# Altium PCB HIL_RIG_REV_1_2.PcbDoc (part 1 of 14) (continued)
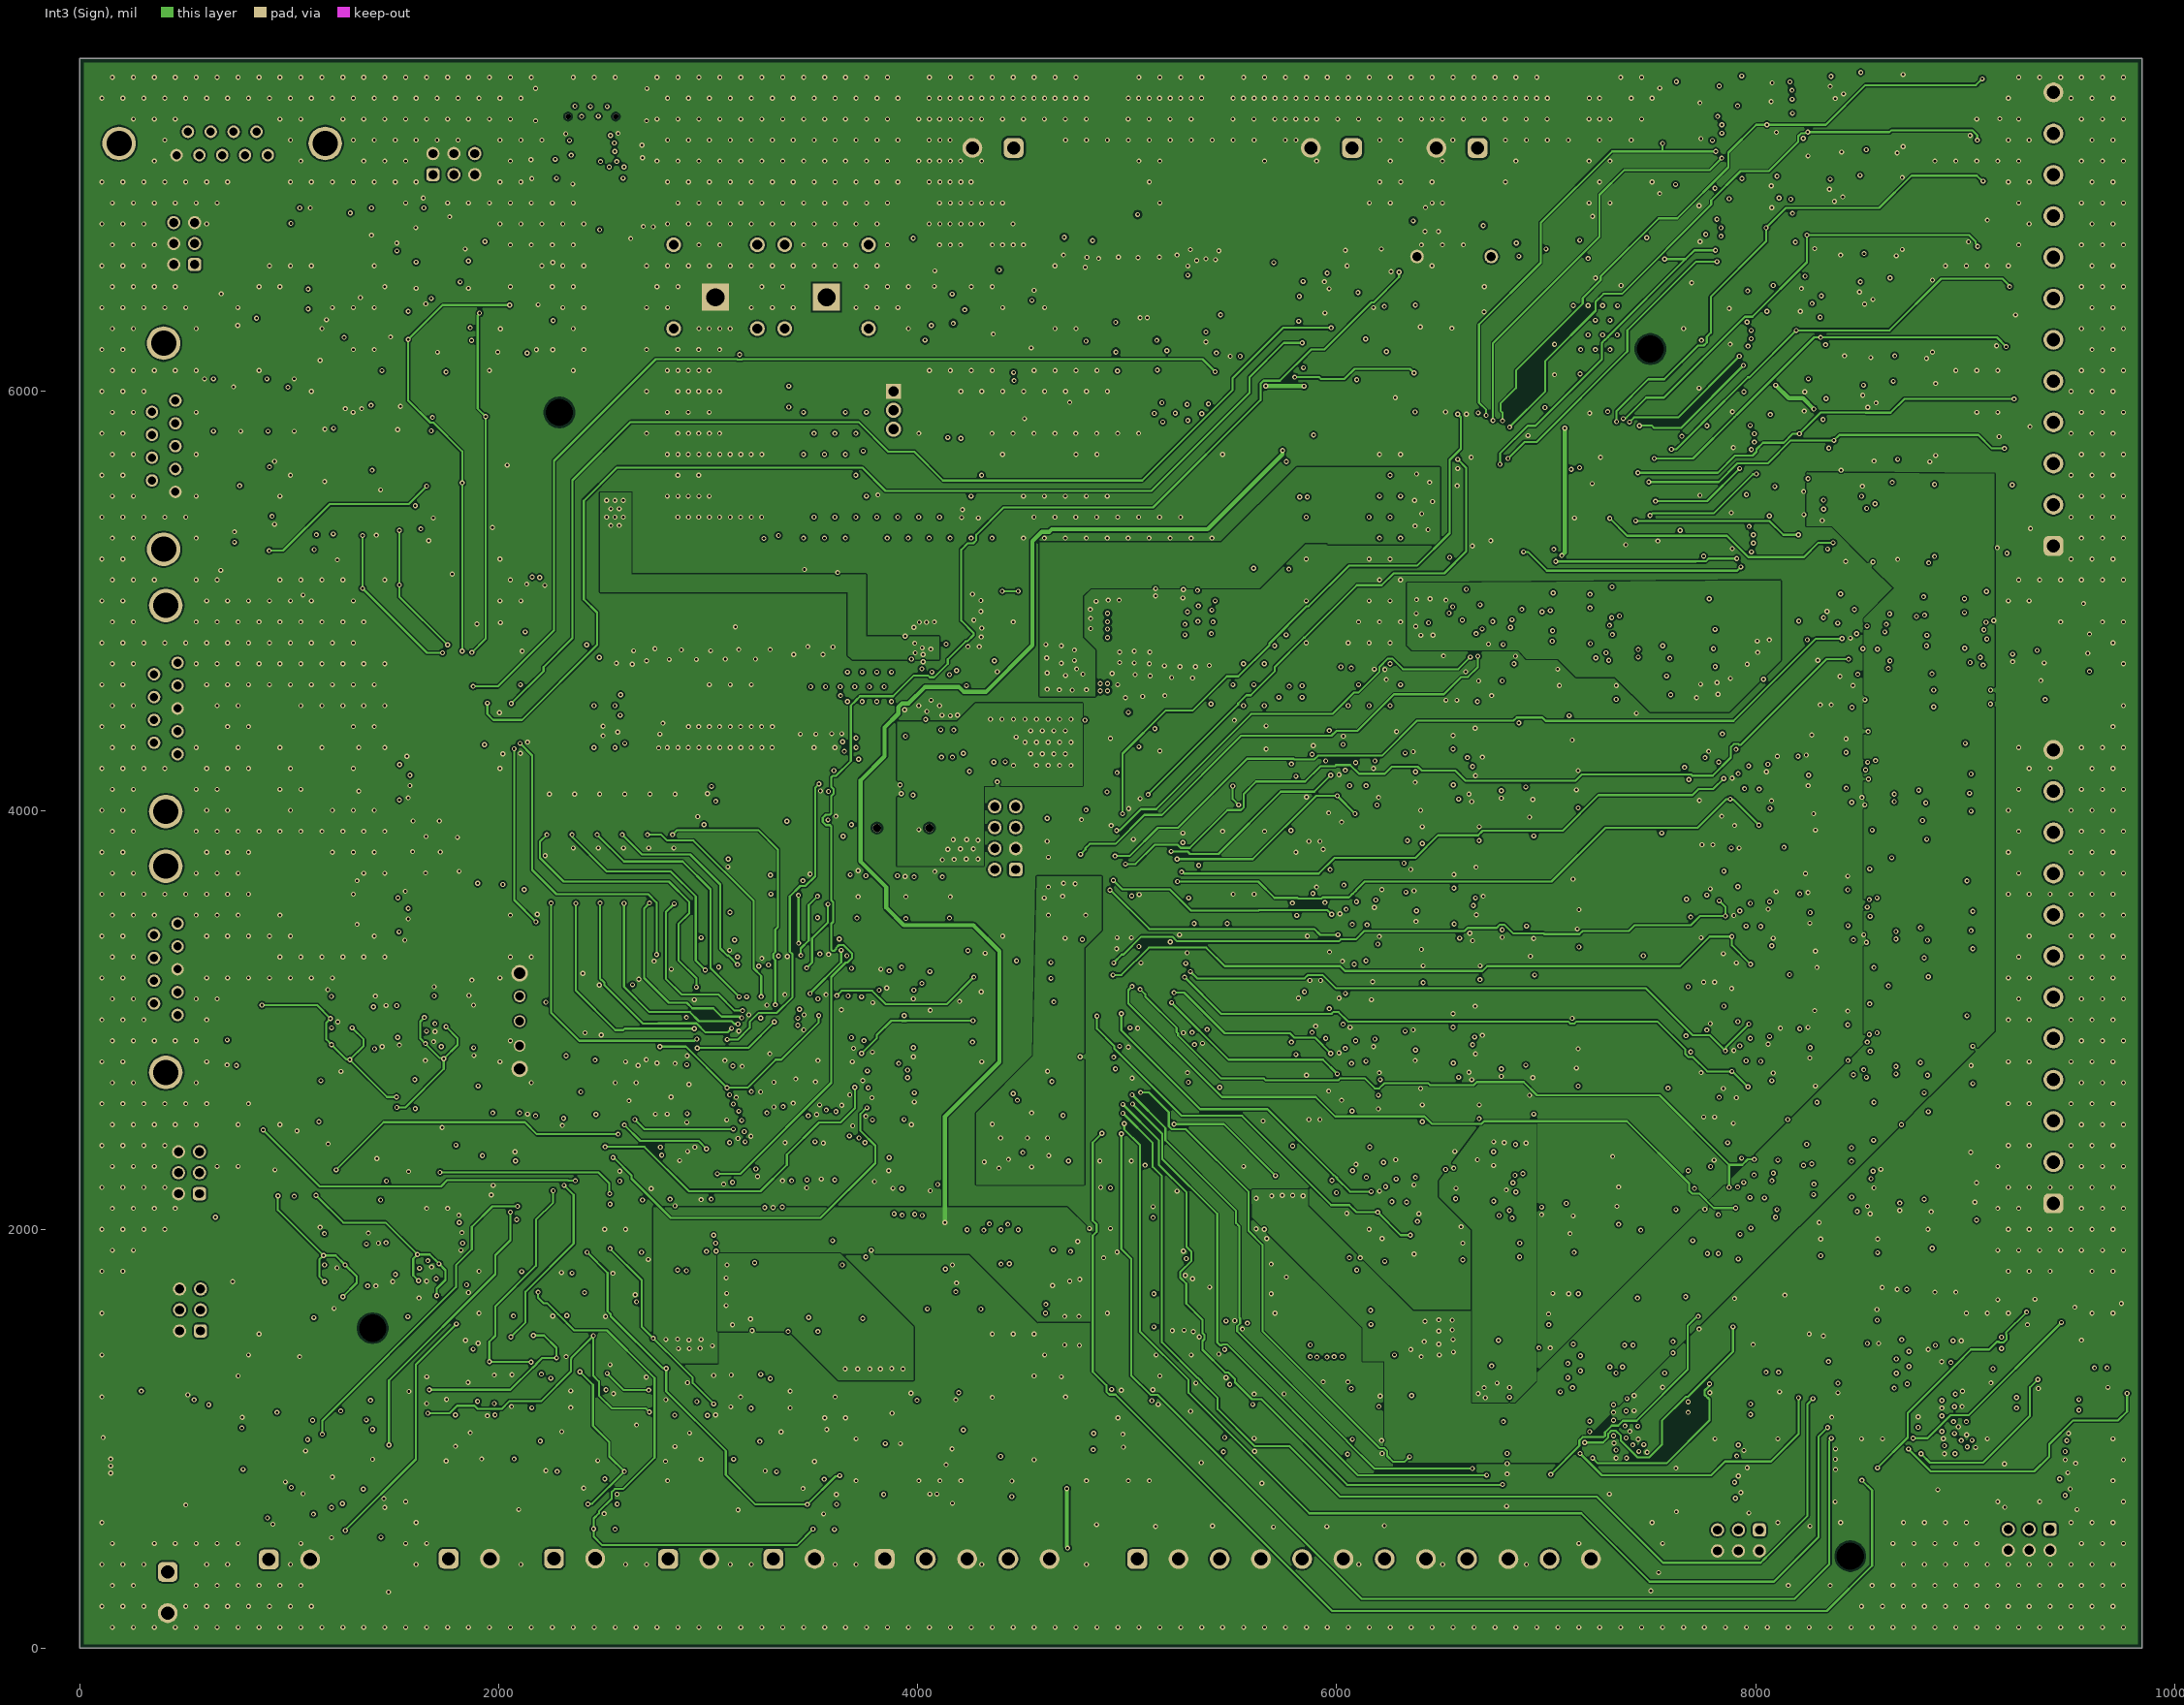
[diagram p4: Int3 (Sign)]
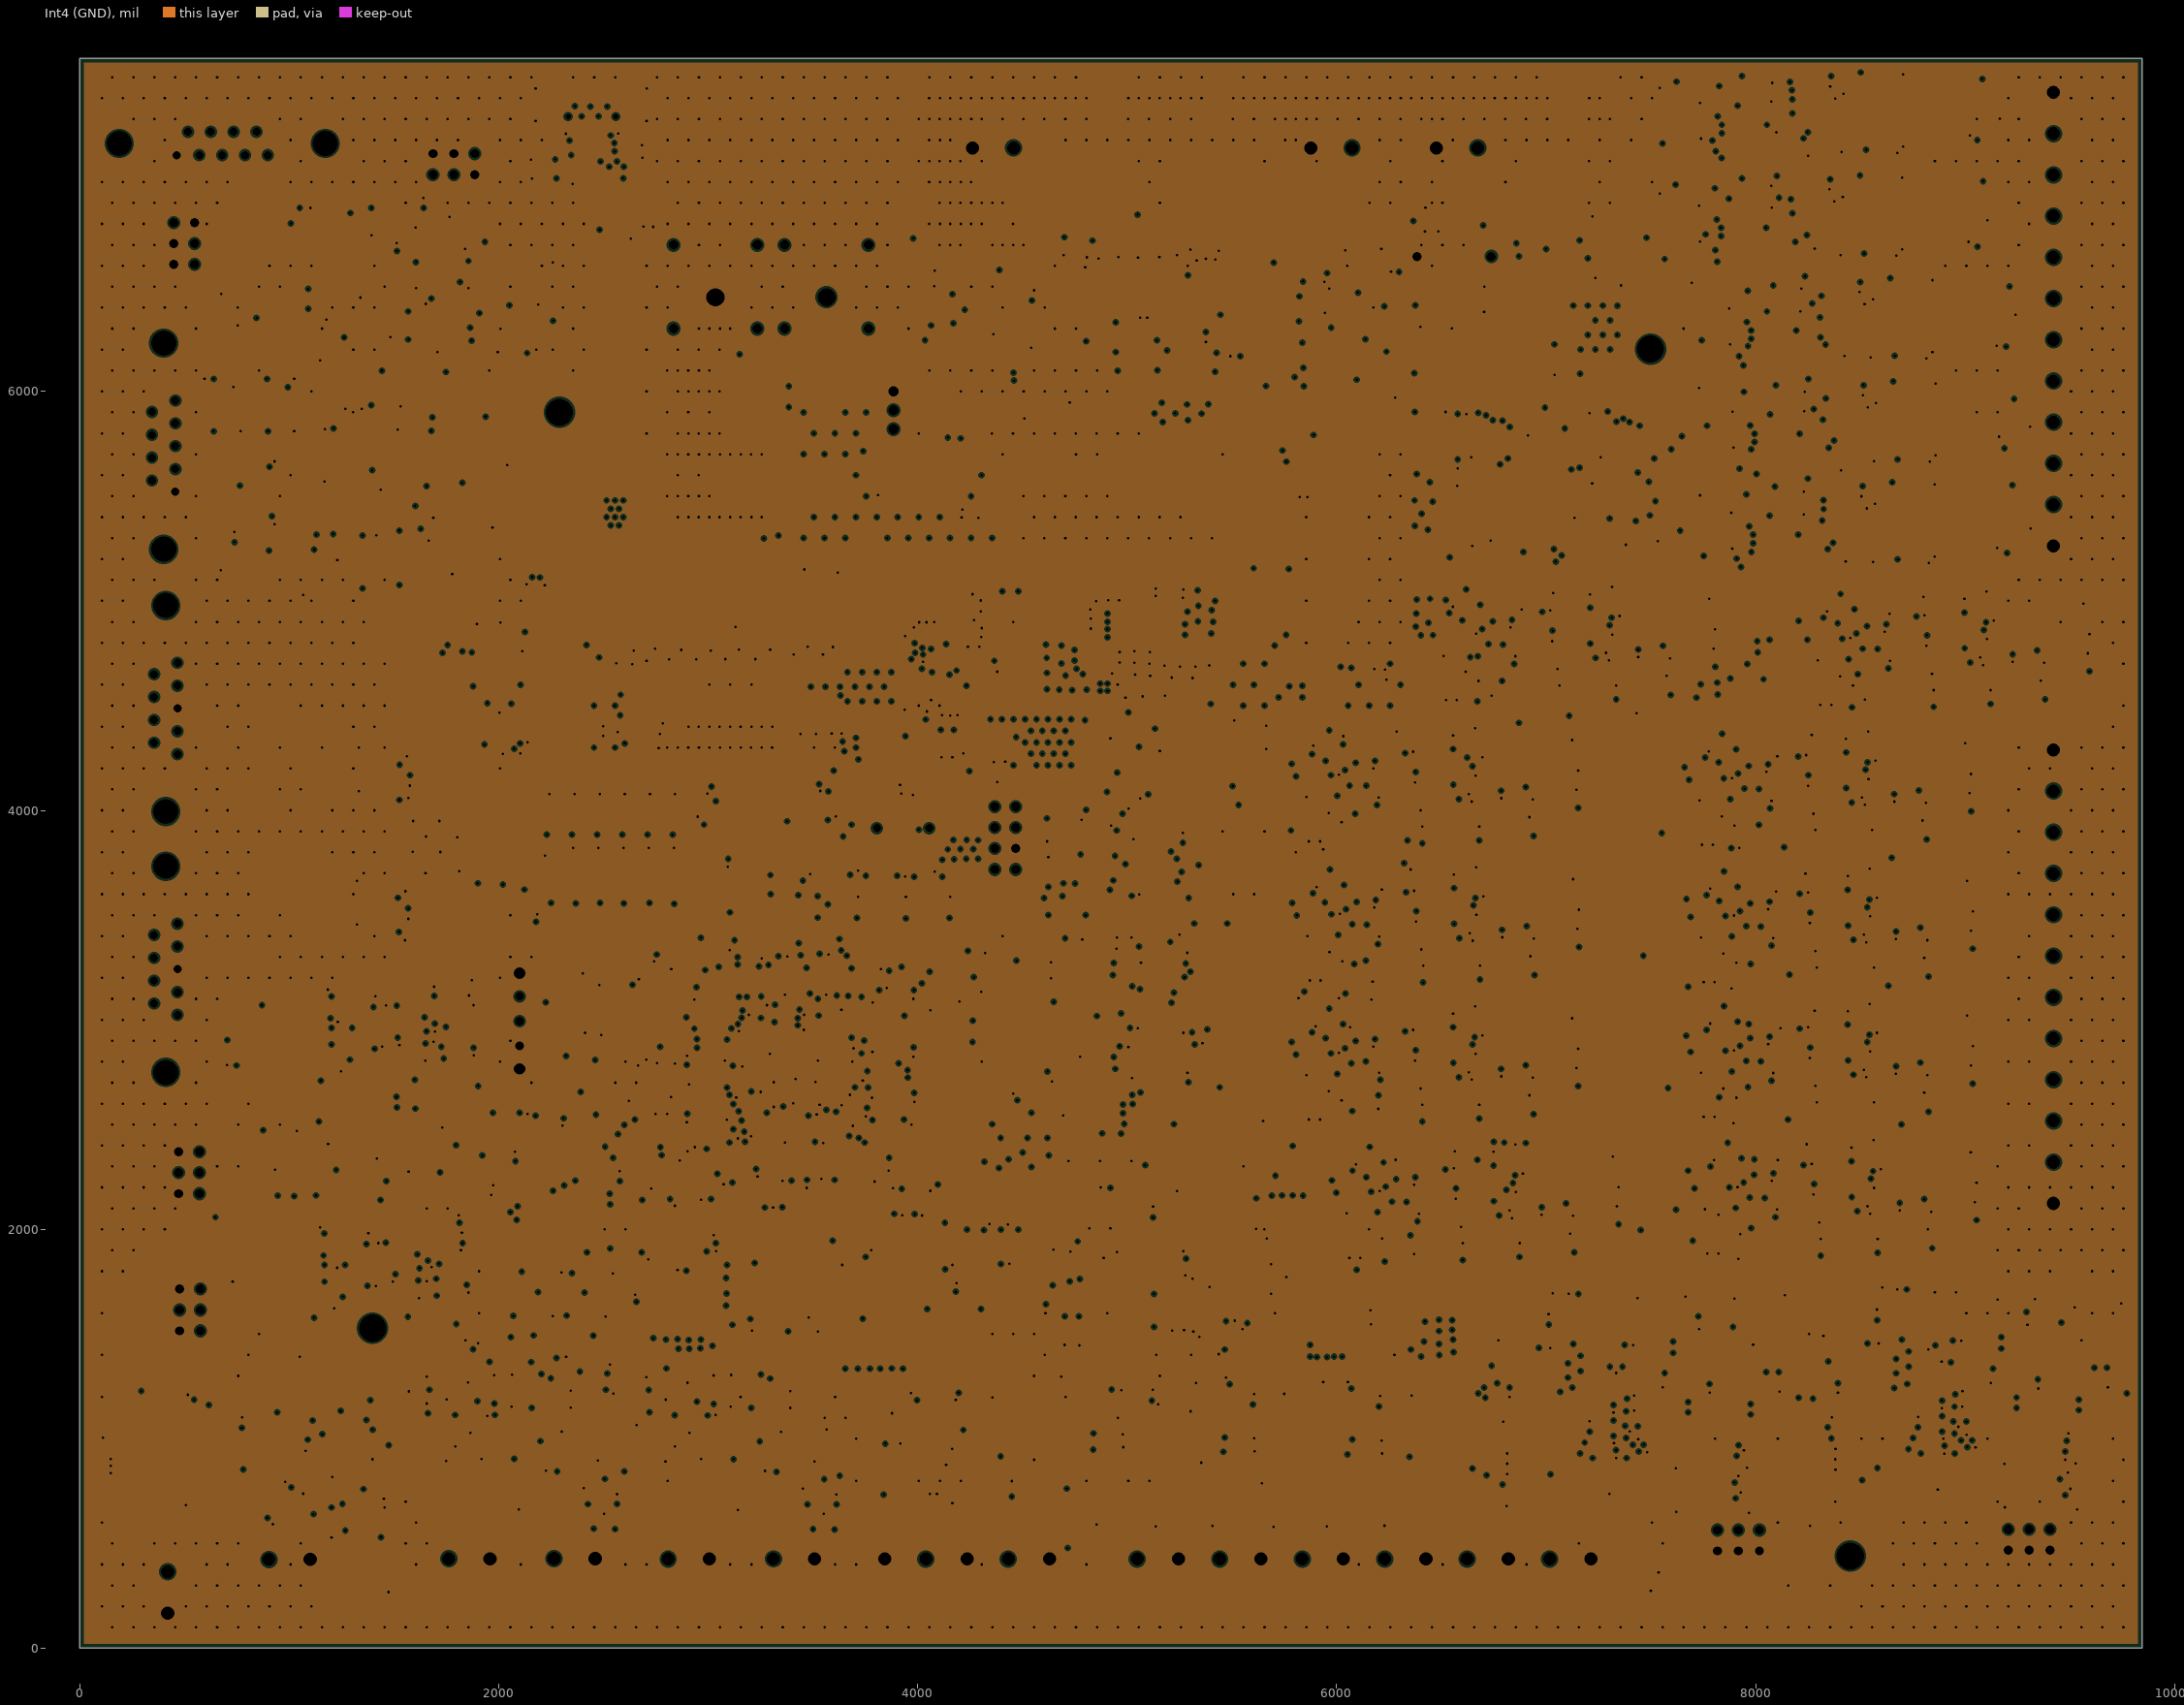
[diagram p5: Int4 (GND), clearances drawn from the general rule]

## Layer stack, top to bottom
Top Solder: solder mask 1, SM-001, Dk 4
Top Layer: signal copper 1.378
Dielectric 1: prepreg 3.913, PP-006, Dk 4.1
Int1 (GND): plane copper 0.598, net GND
Dielectric 3: core 21.654, Core-035, Dk 4.6
Int2 (PWR): signal copper 0.598
Dielectric 4: prepreg 2.142, PP-006, Dk 4.16
Dielectric 5: prepreg 2.142, PP-006, Dk 4.16
Int3 (Sign): signal copper 0.598
Dielectric 6: core 21.654, Core-035, Dk 4.6
Int4 (GND): plane copper 0.598, net GND
Dielectric 8: prepreg 3.913, PP-006, Dk 4.1
Bottom Layer: signal copper 1.378
Bottom Solder: solder mask 1, SM-001, Dk 4

## Board outline
0,0 9845,0 9845,7590 0,7590

## Design rules (kind name [scope] priority, off if disabled: settings)
AcuteAngle [All] p1: minimum=4.50000000000000E+0001 checktracksonly=FALSE
AssemblyTestPointUsage [All] p1: valid=2
AssemblyTestpoint [All] p1: testpointundercomponent=FALSE minsize=40 maxsize=100 preferedsize=60 minholesize=0 maxholesize=40 preferedholesize=32 testpointgrid=1 usegrid=TRUE gridoriginx=0 gridoriginy=-41335 gridtolerance=0.01 allowsidetop=TRUE allowsidebottom=TRUE
BoardOutlineClearance [All] p1: gap=20 ignorepadtopadclearanceinfootprint=FALSE except(0: Arc-SplitContinuation Track-SplitContinuation SMDPad-SplitContinuation THPad-SplitContinuation Via-SplitContinuation Fill-SplitContinuation Poly-SplitContinuation Region-SplitContinuation Text-SplitContinuation)
Clearance PWR_OUTPUT_SUPPLY_clearance [InNetClass('PWR_OUTPUT_SUPPLY')] p1: gap=10 ignorepadtopadclearanceinfootprint=TRUE
Clearance PWR_SWITCH_to_SENSE_clearance [InNetClass('PWR_SWITCHING_NODE') vs InNetClass('PWR_SENSE_ANALOG')] p2: gap=20 ignorepadtopadclearanceinfootprint=TRUE
Clearance PWR_SWITCH_general_clearance [InNetClass('PWR_SWITCHING_NODE')] p3: gap=10 ignorepadtopadclearanceinfootprint=TRUE
Clearance [All] p4: gap=6 ignorepadtopadclearanceinfootprint=TRUE except(8: Arc-THPad Arc-Via Track-THPad Track-Via SMDPad-THPad SMDPad-Via THPad-Fill THPad-Poly THPad-Region THPad-Text Via-Fill Via-Poly Via-Region Via-Text; 10: Arc-Hole Track-Hole SMDPad-SMDPad SMDPad-Hole THPad-THPad THPad-Via THPad-Hole Via-Via Via-Hole Fill-Hole Poly-Hole Region-Hole Text-Hole)
ComponentClearance [All] p1: gap=20 collisioncheckmode=3 verticalgap=20 showdistances=FALSE
DiffPairsRouting "USB Differential Routing" [InDifferentialPairClass('USB_Diff_Pair')] p1: maxlimit=6 minlimit=6 mostfreqgap=6 toplayer_minwidth=5.45 toplayer_maxwidth=5.45 toplayer_prefwidth=5.45 midlayer1_minwidth=9.5 midlayer1_maxwidth=9.5 midlayer1_prefwidth=9.5 midlayer2_minwidth=9.5 midlayer2_maxwidth=9.5 midlayer2_prefwidth=9.5 bottomlayer_minwidth=5.45 bottomlayer_maxwidth=5.45 bottomlayer_prefwidth=5.45 impedanceprofiledriven=TRUE impedanceprofileid={9FCC9C27-75F3-40A9-AEF9-243BA741D528} impedanceprofilevalue=90.000000 maxuncoupledlength=500
DiffPairsRouting "CAN Differential Routing" [InDifferentialPairClass('CAN_DIFF_PAIR')] p2: maxlimit=10 minlimit=6 mostfreqgap=7 toplayer_minwidth=6 toplayer_maxwidth=8 toplayer_prefwidth=6 midlayer1_minwidth=6 midlayer1_maxwidth=8 midlayer1_prefwidth=6 midlayer2_minwidth=6 midlayer2_maxwidth=8 midlayer2_prefwidth=6 bottomlayer_minwidth=6 bottomlayer_maxwidth=8 bottomlayer_prefwidth=6 maxuncoupledlength=500
DiffPairsRouting [All] p3: maxlimit=10 minlimit=10 mostfreqgap=10 toplayer_minwidth=15 toplayer_maxwidth=15 toplayer_prefwidth=15 midlayer1_minwidth=15 midlayer1_maxwidth=15 midlayer1_prefwidth=15 midlayer2_minwidth=15 midlayer2_maxwidth=15 midlayer2_prefwidth=15 bottomlayer_minwidth=15 bottomlayer_maxwidth=15 bottomlayer_prefwidth=15 maxuncoupledlength=500
FabricationTestPointUsage [All] p1: valid=2 allowmultiple=FALSE
FabricationTestpoint [All] p1: side=3 testpointundercomponent=FALSE minsize=40 maxsize=100 preferedsize=60 minholesize=0 maxholesize=40 preferedholesize=32 testpointgrid=1 allowsidetop=TRUE allowsidebottom=TRUE usegrid=TRUE gridoriginx=0 gridoriginy=-41335 gridtolerance=0.01
HoleSize [All] p1: absolutevalues=TRUE maxlimit=250 minlimit=12 maxpercent=80.000 minpercent=20.000
HoleToHoleClearance [All] p1: gap=20 allowstackedmicrovias=TRUE
MinimumAnnularRing PadMinimumAnnularRing [isPad] p1: minimumring=8
MinimumAnnularRing [All] p2: minimumring=6
MinimumSolderMaskSliver [All] p1: minsoldermaskwidth=4
PlaneClearance "TH Pad Clearance" [IsPad] p1: clearance=12
PlaneClearance [All] p2: clearance=10
PlaneConnect DirectPolygonConnect [All] p1: planeconnectstyle=Direct reliefexpansion=20 reliefentries=4 reliefconductorwidth=10 reliefairgap=10
PlaneConnect [All] p2: planeconnectstyle=Relief reliefexpansion=20 reliefentries=4 reliefconductorwidth=10 reliefairgap=10
PolygonConnect [All] p1: connectstyle=Direct reliefconductorwidth=15 reliefentries=4 polygonreliefangle="90 Angle" airgapwidth=10
RoomDefinition Digital_Input_CH9 [InComponentClass('Digital_Input_CH9')] p1: confinementstyle=ConfineIn formatcopy=TRUE lockcomponents=FALSE outline 6380,5120 6380,4472 7915,4472 7915,5120
RoomDefinition "Analogue Output" [InComponentClass('Analogue Output')] p2: confinementstyle=ConfineIn formatcopy=TRUE lockcomponents=FALSE outline 4586,516 6465.2,516 6460.6,1824.12 5910,1824.12 5910,2238.86 5298.38,2238.86 5298.38,2414.89 4586,2420
RoomDefinition MCU [InComponentClass('MCU')] p3: confinementstyle=ConfineIn formatcopy=TRUE lockcomponents=FALSE outline 3669.84,3495.28 3669.84,4204 3002.87,4204 3002.87,3500.29 1946,3508.22 1946,2488 2641.07,2488 2641.07,1408 4608,1408 4608,3500.89
RoomDefinition Digital_Input_CH5 [InComponentClass('Digital_Input_CH5')] p4: confinementstyle=ConfineIn formatcopy=TRUE lockcomponents=FALSE outline 5730,3782 5730,3134 7265,3134 7265,3782
RoomDefinition Digital_Output_CH1 [InComponentClass('Digital_Output_CH1')] p5: confinementstyle=ConfineIn formatcopy=TRUE lockcomponents=FALSE outline 7668.98,5140.81 9333.98,5140.81 9333.98,5584.45 7668.98,5584.45
RoomDefinition Digital_Output_CH5 [InComponentClass('Digital_Output_CH5')] p6: confinementstyle=ConfineIn formatcopy=TRUE lockcomponents=FALSE outline 7518.89,7097.81 9183.89,7097.81 9183.89,7541.45 7518.89,7541.45
RoomDefinition Output_Expander_IC_COM_CTL_1 [InComponentClass('Output_Expander_IC_COM_CTL_1')] p7: confinementstyle=ConfineIn formatcopy=TRUE lockcomponents=FALSE outline 5360,2933.81 4602,2933.81 4602,2398 5360,2398
RoomDefinition Output_Expander_IC_DI_1 [InComponentClass('Output_Expander_IC_DI_1')] p8: confinementstyle=ConfineIn formatcopy=TRUE lockcomponents=FALSE outline 4646,2848 5512,2848 5512,3568 4646,3568
RoomDefinition I2C_CH2 [InComponentClass('I2C_CH2')] p9: confinementstyle=ConfineIn formatcopy=TRUE lockcomponents=FALSE outline 8282.6,615 9837.6,615 9837.6,1811 8282.6,1811
RoomDefinition Output_Expander_IC_DI_2 [InComponentClass('Output_Expander_IC_DI_2')] p10: confinementstyle=ConfineIn formatcopy=TRUE lockcomponents=FALSE outline 4598,3492 5516,3492 5516,4140 4598,4140
RoomDefinition 24V_Generation [InComponentClass('24V_Generation')] p11: confinementstyle=ConfineIn formatcopy=TRUE lockcomponents=TRUE outline 4090,5223 5665,5223 5665,5993 4090,5993
RoomDefinition Output_Expander_IC_PMW_SPI [InComponentClass('Output_Expander_IC_PMW_SPI')] p12: confinementstyle=ConfineIn formatcopy=TRUE lockcomponents=FALSE outline 2604,2488 1929.76,2488 1929.76,1884 2604,1884
RoomDefinition I2C_CH1 [InComponentClass('I2C_CH1')] p13: confinementstyle=ConfineIn formatcopy=TRUE lockcomponents=FALSE outline 6715,594 8270,594 8270,1790 6715,1790
RoomDefinition SPI_CH2 [InComponentClass('SPI_CH2')] p14: confinementstyle=ConfineIn formatcopy=TRUE lockcomponents=FALSE outline 398,2631.32 1286,2631.32 1286,2059.29 1881.61,2059.29 1881.61,1414 398,1414
RoomDefinition Digital_Input_CH6 [InComponentClass('Digital_Input_CH6')] p15: confinementstyle=ConfineIn formatcopy=TRUE lockcomponents=FALSE outline 7610,3774 7610,3126 9145,3126 9145,3774
RoomDefinition Output_Expander_IC_UART_PWR [InComponentClass('Output_Expander_IC_UART_PWR')] p16: confinementstyle=ConfineIn formatcopy=TRUE lockcomponents=FALSE outline 1678,4222 2262,4222 2262,4946 1678,4946
RoomDefinition Digital_Input_CH8 [InComponentClass('Digital_Input_CH8')] p17: confinementstyle=ConfineIn formatcopy=TRUE lockcomponents=FALSE outline 7602,4430 7602,3782 9137,3782 9137,4430
RoomDefinition Digital_Output_CH4 [InComponentClass('Digital_Output_CH4')] p18: confinementstyle=ConfineIn formatcopy=TRUE lockcomponents=FALSE outline 7515,6606.36 9180,6606.36 9180,7050 7515,7050
RoomDefinition Digital_Input_CH1 [InComponentClass('Digital_Input_CH1')] p19: confinementstyle=ConfineIn formatcopy=TRUE lockcomponents=FALSE outline 5919,2458 5919,1810 7454,1810 7454,2458
RoomDefinition SPI_CH1 [InComponentClass('SPI_CH1')] p20: confinementstyle=ConfineIn formatcopy=TRUE lockcomponents=FALSE outline 637.39,3211.72 1932,3211.72 1932,2151.72 1291.59,2151.72 1291.59,2646.01 637.39,2646.01
RoomDefinition CAN_CH2 [InComponentClass('CAN_CH2')] p21: confinementstyle=ConfineIn formatcopy=TRUE lockcomponents=FALSE outline 766.15,3962 1612,3962 1612,4510 766.15,4510
RoomDefinition UART_CH1 [InComponentClass('UART_CH1')] p22: confinementstyle=ConfineIn formatcopy=TRUE lockcomponents=FALSE outline 512,7056.25 750.5,7056.25 750.5,6676.1 1130.87,6143.58 1132.23,6000 2350,6000 2350,6582 2092,6582 2092,7322 512,7322
RoomDefinition UART_CH2 [InComponentClass('UART_CH2')] p23: confinementstyle=ConfineIn formatcopy=TRUE lockcomponents=FALSE outline 324,5175 324,6830 619,6830 1086,6200 1086,5987.67 1844,5987.67 1844,5175
RoomDefinition Digital_Input_CH10 [InComponentClass('Digital_Input_CH10')] p24: confinementstyle=ConfineIn formatcopy=TRUE lockcomponents=FALSE outline 8167,5098 8167,4450 9702,4450 9702,5098
RoomDefinition PWM_CAPTURE_CH1 [InComponentClass('PWM_CAPTURE_CH1')] p25: confinementstyle=ConfineIn formatcopy=TRUE lockcomponents=FALSE outline 2599.52,358 2599.52,834 2515,834 2515.52,970 2435.52,969 2435.52,1404 1631.52,1404 1631.52,358
RoomDefinition USB [InComponentClass('USB')] p26: confinementstyle=ConfineIn formatcopy=TRUE lockcomponents=FALSE outline 2090,6582.56 2745,6582.56 2745,7595 2090,7595
RoomDefinition 3V3_High_Current [InComponentClass('3V3_High_Current')] p27: confinementstyle=ConfineIn formatcopy=TRUE lockcomponents=TRUE outline 5457.9,4135.4 5457.9,5105.4 4527.9,5105.4 4527.9,4135.4
RoomDefinition 3V3_Smooth [InComponentClass('3V3_Smooth')] p28: confinementstyle=ConfineIn formatcopy=TRUE lockcomponents=FALSE outline 4554,4420 4065.47,4420 4065.47,4130 4554,4130
RoomDefinition 5V_Source_Selection [InComponentClass('5V_Source_Selection')] p29: confinementstyle=ConfineIn formatcopy=TRUE lockcomponents=TRUE outline 3758.22,4440.25 4533.22,4440.25 4533.22,5065.25 3758.22,5065.25
RoomDefinition 5V_Generation [InComponentClass('5V_Generation')] p30: confinementstyle=ConfineIn formatcopy=TRUE lockcomponents=TRUE outline 2380.87,5002.5 2380.87,4200 3740,4200 3740,5002.5
RoomDefinition Power_Input [InComponentClass('Power_Input')] p31: confinementstyle=ConfineIn formatcopy=TRUE lockcomponents=FALSE outline 2737.44,7607.4 3332.56,7607.4 3332.56,7593.62 3862.56,7593.62 3862.56,6209.87 3974.29,6209.87 3974.29,5745.63 4057.17,5745.63 4057.17,5095 3689.26,5095 3689.26,5071.3 2737.44,5071.3 2737.44,5799.24
RoomDefinition PowerOutput [InComponentClass('PowerOutput')] p32: confinementstyle=ConfineIn formatcopy=TRUE lockcomponents=FALSE outline 3910,6020 7385,6020 7385,7590 3910,7590
RoomDefinition 12V_Generation [InComponentClass('12V_Generation')] p33: confinementstyle=ConfineIn formatcopy=TRUE lockcomponents=TRUE outline 6360.47,4495 6360.47,6025 5675.47,6025 5675.47,4495
RoomDefinition "STLINK/DEBUG Room" [InComponentClass('Room Definition4')] p34: confinementstyle=ConfineIn formatcopy=TRUE lockcomponents=FALSE outline 3642,3500 4546,3500 4546,4124 3948,4124 3948,4186.94 3642,4185.05
RoomDefinition "Analogue Input" [InComponentClass('Analogue Input')] p35: confinementstyle=ConfineIn formatcopy=TRUE lockcomponents=FALSE outline 4483,362 4483,1340 3747,1340 3747,362
RoomDefinition "MCU LEDs" [InComponentClass('Room Definition3')] p36: confinementstyle=ConfineIn formatcopy=TRUE lockcomponents=FALSE outline 2978,4131.81 2203.91,4131.81 2203.91,3536.81 2978,3536.81
RoomDefinition PWM_CAPTURE_VREF [InComponentClass('PWM_CAPTURE_VREF')] p37: confinementstyle=ConfineIn formatcopy=TRUE lockcomponents=FALSE outline 2600,1418.82 2600,1883.96 2037.64,1883.96 2037.64,1418.82
RoomDefinition PWM_CAPTURE_CH2 [InComponentClass('PWM_CAPTURE_CH2')] p38: confinementstyle=ConfineIn formatcopy=TRUE lockcomponents=FALSE outline 3646.78,356.52 3646.78,832.52 3562.26,832.52 3562.78,968.52 3482.78,967.52 3482.78,1402.52 2678.78,1402.52 2678.78,356.52
RoomDefinition CAN_CH1 [InComponentClass('CAN_CH1')] p39: confinementstyle=ConfineIn formatcopy=TRUE lockcomponents=FALSE outline 758.15,3326 1604,3326 1604,3874 758.15,3874
RoomDefinition PWM_GENERATION [InComponentClass('PWM_GENERATION')] p40: confinementstyle=ConfineIn formatcopy=TRUE lockcomponents=FALSE outline 48.11,1348 48.11,501.7 1536,501.7 1536,1348
RoomDefinition Digital_Input_CH2 [InComponentClass('Digital_Input_CH2')] p41: confinementstyle=ConfineIn formatcopy=TRUE lockcomponents=FALSE outline 7628,2478 7628,1830 9163,1830 9163,2478
RoomDefinition Digital_Output_CH3 [InComponentClass('Digital_Output_CH3')] p42: confinementstyle=ConfineIn formatcopy=TRUE lockcomponents=FALSE outline 7659,6116.36 9324,6116.36 9324,6560 7659,6560
RoomDefinition Digital_Output_CH2 [InComponentClass('Digital_Output_CH2')] p43: confinementstyle=ConfineIn formatcopy=TRUE lockcomponents=FALSE outline 7674.17,5623 9339.17,5623 9339.17,6066.64 7674.17,6066.64
RoomDefinition Digital_Input_CH3 [InComponentClass('Digital_Input_CH3')] p44: confinementstyle=ConfineIn formatcopy=TRUE lockcomponents=FALSE outline 5726,3118 5726,2470 7261,2470 7261,3118
RoomDefinition Digital_Input_CH7 [InComponentClass('Digital_Input_CH7')] p45: confinementstyle=ConfineIn formatcopy=TRUE lockcomponents=FALSE outline 5726,4446 5726,3798 7261,3798 7261,4446
RoomDefinition Digital_Input_CH4 [InComponentClass('Digital_Input_CH4')] p46: confinementstyle=ConfineIn formatcopy=TRUE lockcomponents=FALSE outline 7610,3130 7610,2482 9145,2482 9145,3130
RoomDefinition Output_Expander_IC_DO_A0 [InComponentClass('Output_Expander_IC_DO_A0')] p47: confinementstyle=ConfineIn formatcopy=TRUE lockcomponents=FALSE outline 7046.66,5928 7046.66,5218 7636,5218 7636,5928
RoomDefinition Output_Expander_IC_DO_A1 [InComponentClass('Output_Expander_IC_DO_A1')] p48: confinementstyle=ConfineIn formatcopy=TRUE lockcomponents=FALSE outline 6428.66,5928 6428.66,5218 6964.47,5218 6964.47,5928
RoutingVias NormalVia [All] p1: holewidth=12 width=24 viastyle="Through Hole" minholewidth=12 minwidth=24 maxholewidth=12 maxwidth=24 // For Normal Via Usage
SMDEntry [All] p1: side=TRUE corner=TRUE anyangle=FALSE
SMDToCorner DiffPairSMDToCorner [(InDifferentialPairClass('All Differential Pairs'))] p1: distance=0
SMDToCorner [All] p2: distance=80000
SilkToSilkClearance [All] p1: silktosilkclearance=20
SilkToSolderMaskClearance [IsPad] p1: minsilkscreentomaskgap=8 clearancetoexposedcopper=TRUE
SolderMaskExpansion "Tented Vias" [IsVia] p1: expansion=4 istentingtop=TRUE
SolderMaskExpansion [All] p2: expansion=2 istentingtop=FALSE
StubLength [All] p1: limit=1000
SupplyNets "Schematic Supply Nets_6" [InNet('3V3')] p1: voltage=0.000
SupplyNets "Schematic Supply Nets_4" [InNet('12V')] p2: voltage=0.000
SupplyNets "Schematic Supply Nets_3" [InNet('24V')] p3: voltage=0.000
SupplyNets "Schematic Supply Nets_8" [InNet('3V3')] p4: voltage=0.000
SupplyNets "Schematic Supply Nets_7" [InNet('24V')] p5: voltage=0.000
SupplyNets "Schematic Supply Nets_5" [InNet('12V')] p6: voltage=0.000
SupplyNets "Schematic Supply Nets" [InNet('GND')] p7: voltage=0.000
SupplyNets "Schematic Supply Nets_2" [InNet('VDD_REGULATED')] p8: voltage=0.000
SupplyNets "Schematic Supply Nets_1" [InNet('5V')] p9: voltage=0.000
UnConnectedPin [All] p1:
UnRoutedNet [All] p1: checkbadconnections=TRUE
ViasUnderSMD [All] p1: allowed=FALSE
Width "PWM_CAPTURE_Contolled Impedence" [InNetClass('PWM_CAPTURE_NET_CLASS')] p1: maxlimit=20.53 minlimit=6.12 preferedwidth=20.53 toplayer_maxwidth=6.12 toplayer_prefwidth=6.12 midlayer1_minwidth=20.53 midlayer2_minwidth=20.53 bottomlayer_maxwidth=6.12 bottomlayer_prefwidth=6.12 impedanceprofiledriven=TRUE impedanceprofileid={D35CEFCE-DBD3-4171-97E0-628DD17F31B4} impedanceprofilevalue=50.000000 minimp=50.000000 maximp=50.000000 favimp=50.000000
Width SPI_Controlled_Impedence [InNetClass('SPI_NET_CLASS')] p2: maxlimit=20.53 minlimit=6.12 preferedwidth=20.53 toplayer_maxwidth=6.12 toplayer_prefwidth=6.12 midlayer1_minwidth=20.53 midlayer2_minwidth=20.53 bottomlayer_maxwidth=6.12 bottomlayer_prefwidth=6.12 impedanceprofiledriven=TRUE impedanceprofileid={D35CEFCE-DBD3-4171-97E0-628DD17F31B4} impedanceprofilevalue=50.000000 minimp=50.000000 maximp=50.000000 favimp=50.000000